# Altium PCB netv2mvp-pvt1b.PCBDOC (part 6 of 7)
Units mm, origin at the board's own origin, x right, y up, seen from the top; angles counter-clockwise.
Board outline 100 x 100 mm, 6 copper layers (L1, L2, L3, L4, L5, L6), stack 1.554 mm thick; 357 components, 296 nets, 2117 pads, 969 vias.
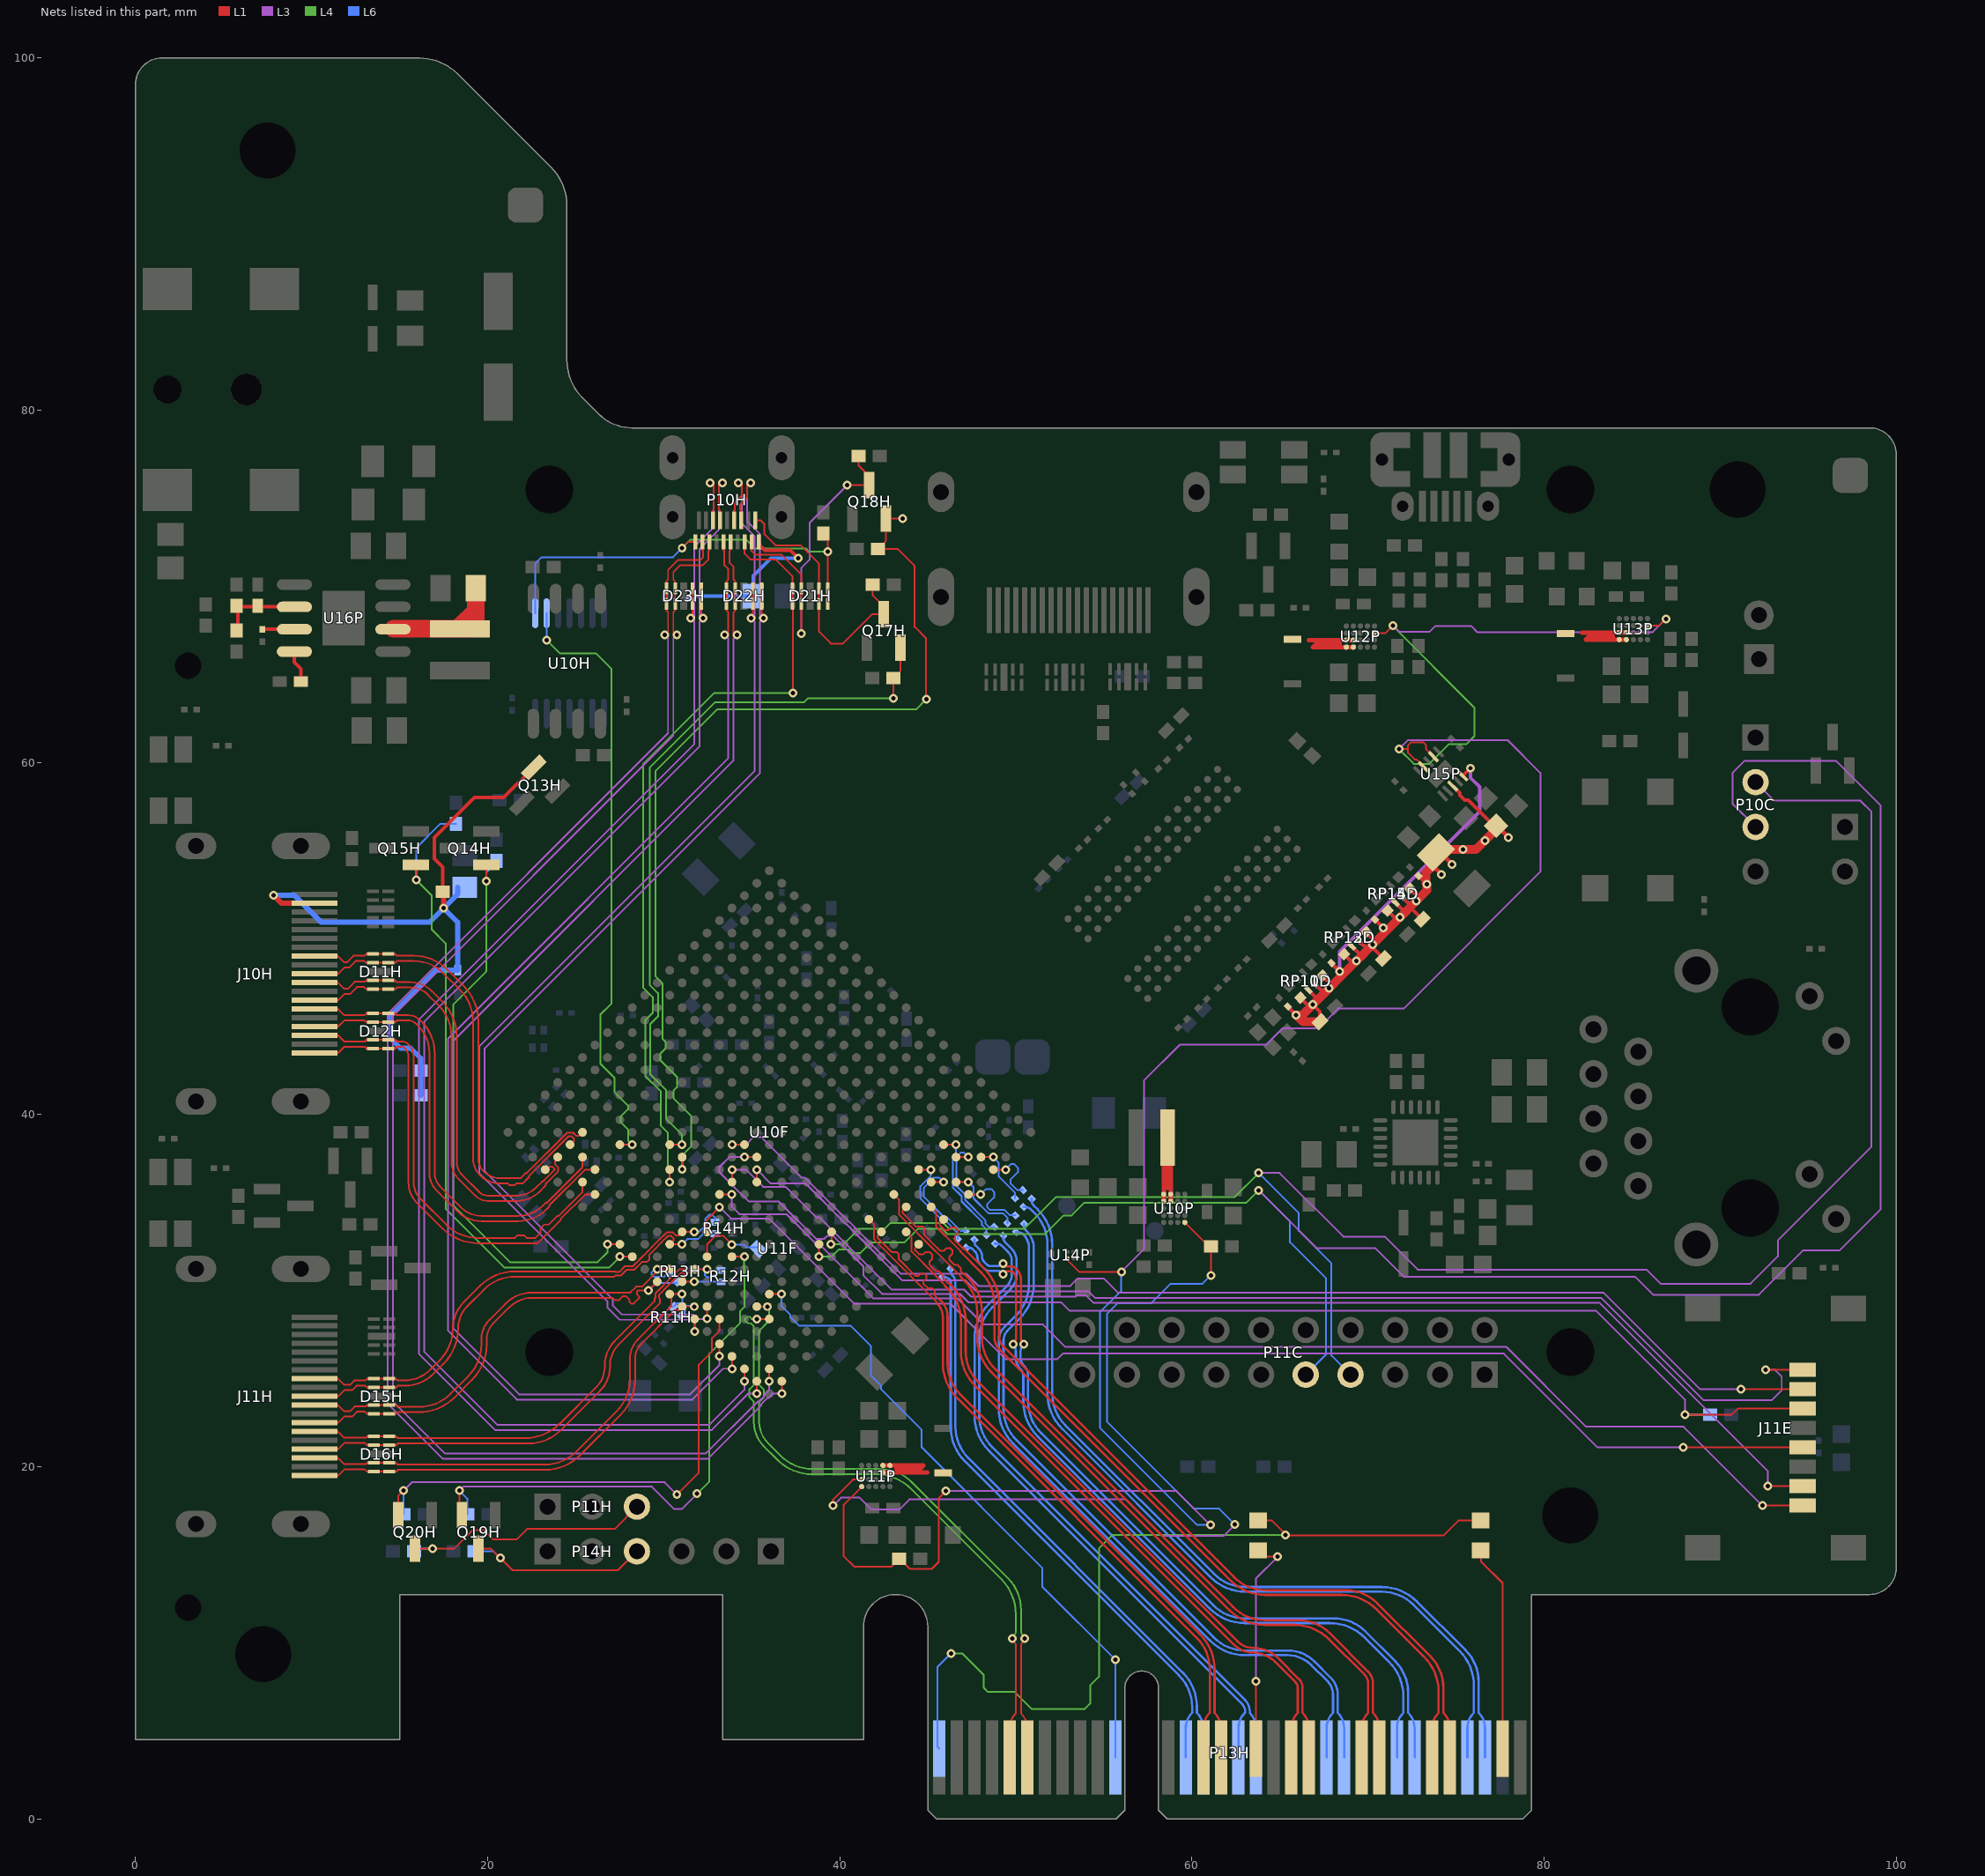
[diagram p10: the nets of this part, all layers, seen from the top]

## Via types
v1: diameter 0.5, hole 0.25, L1 to L6, tented both sides, 895 vias
v2: diameter 0.45, hole 0.25, L1 to L6, tented both sides, 57 vias
v3: diameter 0.7, hole 0.33, L1 to L6, 6 vias
v4: diameter 0.7, hole 0.33, L1 to L6, tented both sides, 5 vias
v5: diameter 0.66, hole 0.33, L1 to L6, tented top, 4 vias
v6: diameter 0.5, hole 0.25, L1 to L6, tented top, 2 vias

## Nets (pads, with @x,y where several pads share a name; then routed paths per layer and width w, separated by ;. In a path a pad name is that pad's centre, name@x,y a point inside that pad or via, vN(x,y) a via of type N, cw(c..) or ccw(c..) an arc to the next point about the centre after c; other vN are vias at no path point) (continued)
PER0_N: C25F.1 P13H.A17 | length 36.9
  L6 w0.13: C25F.1@49.283,33.128 49.283,33.036 ccw(c49.71,33.036) 49.408,32.734 49.764,32.379 cw(c49.085,31.7) 50.045,31.7 50.045,30.939 cw(c48.836,30.939) 49.691,30.084 48.669,29.062 ccw(c50.465,27.266) 47.925,27.266 47.925,22.902 ccw(c50.465,22.902) 48.669,21.106 63.009,6.766 cw(c62.317,6.075) 63.295,6.075 63.295,6.02 cw(c62.438,5.163) 63.65,5.163 P13H.A17@63.65,3.5
PER0_P: C24F.1 P13H.A16 | length 36.7
  L6 w0.13: C24F.1@48.824,32.668 48.916,32.668 cw(c48.916,32.242) 49.217,32.543 49.573,32.188 cw(c49.085,31.7) 49.775,31.7 49.775,30.939 cw(c48.836,30.939) 49.5,30.275 48.478,29.253 ccw(c50.465,27.266) 47.655,27.266 47.655,22.902 ccw(c50.465,22.902) 48.478,20.915 62.818,6.575 cw(c62.317,6.075) 63.025,6.075 cw(c62.94,6.075) 63,6.015 ccw(c63.846,5.17) 62.65,5.17 P13H.A16@62.65,3.5
PER1_N: C36F.1 P13H.A22 | length 41.1
  L6 w0.13: C36F.1@50.476,33.791 50.476,33.699 ccw(c50.902,33.699) 50.601,33.397 50.649,33.349 cw(c49.753,32.453) 51.02,32.453 51.02,30.384 cw(c48.21,30.384) 50.197,28.397 49.512,27.712 ccw(c50.024,27.2) 49.3,27.2 49.3,23.302 ccw(c51.84,23.302) 50.044,21.506 61.236,10.314 ccw(c63.032,12.11) 63.032,9.57 65.447,9.57 cw(c65.447,7.422) 66.966,8.941 67.898,8.009 cw(c66.965,7.075) 68.285,7.075 68.285,6.03 cw(c67.404,5.149) 68.65,5.149 P13H.A22@68.65,3.5
PER1_P: C27F.1 P13H.A21 | length 40.9
  L6 w0.13: C27F.1@50.016,33.331 50.108,33.331 cw(c50.108,32.905) 50.41,33.206 50.458,33.158 cw(c49.753,32.453) 50.75,32.453 50.75,30.384 cw(c48.21,30.384) 50.006,28.588 49.321,27.903 ccw(c50.024,27.2) 49.03,27.2 49.03,23.302 ccw(c51.84,23.302) 49.853,21.315 61.045,10.123 ccw(c63.032,12.11) 63.032,9.3 65.447,9.3 cw(c65.447,7.422) 66.775,8.75 67.707,7.818 cw(c66.965,7.075) 68.015,7.075 68.015,6.03 ccw(c68.896,5.149) 67.65,5.149 P13H.A21@67.65,3.5
PER2_N: C40F.1 P13H.A26 | length 44.3
  L1 w0.13: v1(49.275,31.55) 49.406,31.419 ccw(c49.525,31.539) 49.525,31.37 49.729,31.37 cw(c49.729,30.929) 50.041,31.241 cw(c49.44,30.64) 50.29,30.64 50.29,27.36 ccw(c50.87,27.36) v1(50.46,26.95)
  L6 w0.13: C40F.1@47.652,32.903 47.652,32.745 ccw(c47.92,32.745) 47.73,32.555 47.872,32.414 cw(c47.333,31.875) 48.095,31.875 ccw(c48.385,31.875) 48.18,31.67 48.375,31.475 ccw(c48.556,31.656) 48.556,31.4 48.975,31.4 ccw(c48.975,31.762) 49.231,31.506 v1(49.275,31.55) ; v1(50.46,26.95) 50.409,26.899 ccw(c50.734,26.575) 50.275,26.575 50.275,26.166 ccw(c50.841,26.166) 50.441,25.766 cw(c49.815,25.14) 50.7,25.14 50.7,23.702 ccw(c53.24,23.702) 51.444,21.906 61.211,12.139 ccw(c63.007,13.935) 63.007,11.395 68.06,11.395 cw(c68.06,8.855) 69.856,10.651 71.541,8.966 cw(c69.745,7.17) 72.285,7.17 72.285,6.03 cw(c71.404,5.149) 72.65,5.149 P13H.A26@72.65,3.5
PER2_P: C37F.1 P13H.A25 | length 43.9
  L1 w0.13: v1@49.371,31.036 cw(c49.525,30.883) 49.525,31.1 49.729,31.1 cw(c49.729,30.929) 49.85,31.05 cw(c49.44,30.64) 50.02,30.64 50.02,27.36 cw(c49.44,27.36) v1(49.85,26.95)
  L6 w0.13: C37F.1@47.192,32.443 47.35,32.443 cw(c47.35,32.175) 47.539,32.364 47.681,32.223 cw(c47.333,31.875) 47.825,31.875 ccw(c48.385,31.875) 47.989,31.479 48.184,31.284 ccw(c48.556,31.656) 48.556,31.13 48.975,31.13 cw(c48.975,30.864) 49.163,31.052 v1(49.275,30.94) ; v1(49.85,26.95) cw(c49.476,26.576) 50.005,26.576 50.005,26.166 ccw(c50.841,26.166) 50.25,25.575 cw(c49.815,25.14) 50.43,25.14 50.43,23.702 ccw(c53.24,23.702) 51.253,21.715 61.02,11.948 ccw(c63.007,13.935) 63.007,11.125 67.836,11.125 cw(c67.836,8.315) 69.823,10.302 71.192,8.933 cw(c69.205,6.946) 72.015,6.946 72.015,6.03 ccw(c72.896,5.149) 71.65,5.149 P13H.A25@71.65,3.5
PER3_N: C22F.1 P13H.A30 | length 47.6
  L6 w0.13: C22F.1@50.904,35.219 50.904,35.125 ccw(c51.325,35.125) 51.027,34.827 51.247,34.607 cw(c49.26,32.62) 52.07,32.62 52.07,24.157 ccw(c54.61,24.157) 52.814,22.361 61.256,13.919 ccw(c63.052,15.715) 63.052,13.175 70.793,13.175 cw(c70.793,10.365) 72.78,12.352 75.541,9.591 cw(c73.745,7.795) 76.285,7.795 76.285,6.03 cw(c75.404,5.149) 76.65,5.149 P13H.A30@76.65,3.5
PER3_P: C20F.1 P13H.A29 | length 47.3
  L6 w0.13: C20F.1@50.444,34.759 50.538,34.759 cw(c50.538,34.338) 50.836,34.636 51.056,34.416 cw(c49.26,32.62) 51.8,32.62 51.8,24.157 ccw(c54.61,24.157) 52.623,22.17 61.065,13.728 ccw(c63.052,15.715) 63.052,12.905 70.793,12.905 cw(c70.793,10.365) 72.589,12.161 75.192,9.558 cw(c73.205,7.571) 76.015,7.571 76.015,6.03 ccw(c76.896,5.149) 75.65,5.149 P13H.A29@75.65,3.5
PERC0_N: C25F.2 U10F.C5 | length 6.6
  L1 w0.099: U10F.C5@46.607,37.586 v1(47.303,37.586)
  L6 w0.099: v1(47.303,37.586) 47.039,37.85 46.89,37.85 46.626,37.586 46.626,35.949 47.125,35.45 47.125,35.15 48.284,33.991 48.284,33.809 48.47,33.623 C25F.2@48.788,33.623
PERC0_P: C24F.2 U10F.D5 | length 6.7
  L1 w0.099: U10F.D5@45.899,38.293 v1(46.596,38.293)
  L6 w0.099: v1(46.596,38.293) 46.596,37.839 46.426,37.669 46.426,35.866 46.925,35.367 46.925,35.067 48.084,33.908 48.084,33.726 48.329,33.482 C24F.2@48.329,33.163
PERC1_N: C36F.2 U10F.A6 | length 4.5
  L1 w0.099: U10F.A6@47.314,35.464 v1(48.01,35.464)
  L6 w0.099: v1(48.01,35.464) 48.321,35.775 48.567,35.775 48.57,35.772 48.603,35.772 48.775,35.6 48.775,35.3 48.375,34.9 48.375,34.75 48.525,34.6 49.35,34.6 49.664,34.286 C36F.2@49.981,34.286
PERC1_P: C27F.2 U10F.B6 | length 4.4
  L1 w0.099: U10F.B6@46.607,36.172 v1(47.303,36.172)
  L6 w0.099: v1(47.303,36.172) 47.6,35.874 47.6,35.242 48.442,34.4 49.267,34.4 49.521,34.146 C27F.2@49.521,33.826
PERC2_N: C40F.2 U10F.C7 | length 5.9
  L1 w0.099: U10F.C7@45.192,36.172 v1(45.889,36.172)
  L6 w0.099: v1(45.889,36.172) 45.635,36.425 45.35,36.425 44.775,35.85 44.775,35.324 45.9,34.2 46.062,34.2 46.864,33.397 C40F.2@47.157,33.397
PERC2_P: C37F.2 U10F.D7 | length 5.9
  L1 w0.099: U10F.D7@44.485,36.879 v1(45.182,36.879)
  L6 w0.099: v1(45.182,36.879) 45.182,36.539 44.575,35.933 44.575,35.241 45.817,34 45.979,34 46.697,33.281 C37F.2@46.697,32.938
PERC3_N: C22F.2 U10F.A4 | length 3.5
  L1 w0.099: U10F.A4@48.728,36.879 v1(49.424,36.879)
  L6 w0.099: v1(49.424,36.879) 49.746,37.2 49.9,37.2 50.125,36.975 50.125,36.725 49.7,36.3 49.7,36.104 50.09,35.714 C22F.2@50.409,35.714
PERC3_P: C20F.2 U10F.B4 | length 3.5
  L1 w0.099: U10F.B4@48.021,37.586 v1(48.717,37.586)
  L6 w0.099: v1(48.717,37.586) 49.025,37.278 49.025,37.045 ; 49.024,36.713 49.024,37.044 ; 49.025,36.712 49.025,36.496 49.949,35.572 C20F.2@49.949,35.254
PERST#: P13H.A11 U10F.E18 | length 36.6
  L1 w0.1: U10F.E18@36,29.808 v1(36.7,29.808)
  L6 w0.1: v1(36.7,29.808) 36.7,29.125 37.2,28.625 37.2,28.5 37.7,28 40.625,28 41.775,26.85 41.775,25.175 42.35,24.6 42.35,24.4 44.65,22.1 44.65,21.108 51.5,14.258 51.5,13.2 v1(55.65,9.05) P13H.A11@55.65,3.5
PET0_N: P13H.B15 U10F.C11 | length 38.6
  L1 w0.099: U10F.C11@42.364,33.343 42.15,33.129 42.15,32.991 42.95,32.191 43.234,32.191 43.35,32.075 43.35,31.791 44.291,30.85 44.475,30.85 44.6,30.975 44.8,30.975 44.925,30.85 44.925,30.7 44.759,30.534 44.759,30.384 45,30.142 45.233,30.142 45.409,29.966 45.409,29.734 45.692,29.45
  L1 w0.13: 45.741,29.441 cw(c44.814,28.514) 46.125,28.514 46.125,25.884 ccw(c48.665,25.884) 46.869,24.088 60.462,10.495 cw(c58.475,8.508) 61.285,8.508 61.285,6.03 cw(c60.404,5.149) 61.65,5.149 P13H.B15@61.65,3.5
PET0_P: P13H.B14 U10F.D11 | length 38.5
  L1 w0.099: U10F.D11@41.657,34.05 41.95,33.757 41.95,32.909 44.554,30.304 ; 44.433,30.425 45.579,29.279
  L1 w0.13: 45.55,29.25 cw(c44.814,28.514) 45.855,28.514 45.855,25.884 ccw(c48.665,25.884) 46.678,23.897 60.271,10.304 cw(c58.475,8.508) 61.015,8.508 61.015,6.03 ccw(c61.896,5.149) 60.65,5.149 P13H.B14@60.65,3.5
PET1_N: P13H.B20 U10F.A10 | length 39.6
  L1 w0.099: U10F.A10@44.485,32.636 44.275,32.426 44.275,32.3 44.5,32.075 44.75,32.075 44.875,32.2 45.1,32.2 45.25,32.05 45.25,31.8 45.1,31.65 45.1,31.475 45.45,31.125 45.6,31.125 45.875,30.85 45.875,30.7 46.163,30.413
  L1 w0.13: 46.191,30.441 46.327,30.305 cw(c44.34,28.318) 47.15,28.318 47.15,26.577 ccw(c49.69,26.577) 47.894,24.781 62.587,10.088 ccw(c63.475,10.975) 63.475,9.72 cw(c63.475,7.7) 64.904,9.128 66.075,7.957 cw(c65.568,7.45) 66.285,7.45 66.285,6.03 cw(c65.404,5.149) 66.65,5.149 P13H.B20@66.65,3.5
PET1_P: P13H.B19 U10F.B10 | length 39.5
  L1 w0.099: U10F.B10@43.778,33.343 44.075,33.046 44.075,32.217 45.325,30.967 ; 45.325,30.967 46.021,30.271
  L1 w0.13: 46,30.25 46.136,30.114 cw(c44.34,28.318) 46.88,28.318 46.88,26.577 ccw(c49.69,26.577) 47.703,24.59 62.396,9.897 ccw(c63.475,10.975) 63.475,9.45 cw(c63.475,7.7) 64.713,8.937 65.884,7.766 cw(c65.568,7.45) 66.015,7.45 66.015,6.03 ccw(c66.896,5.149) 65.65,5.149 P13H.B19@65.65,3.5
PET2_N: P13H.B24 U10F.C9 | length 45.4
  L1 w0.099: U10F.C9@43.778,34.757 43.575,34.554 43.575,34.395 44.32,33.65 44.7,33.65 44.792,33.558 44.792,33.177 45.532,32.438 45.537,32.438 45.7,32.275 45.925,32.275 46.075,32.425 46.275,32.425 46.4,32.3 46.4,32.1 46.225,31.925 46.225,31.75 46.275,31.7 46.501,31.475 46.675,31.475 46.875,31.275 46.875,31.1 47.063,30.913
  L1 w0.13: 47.091,30.941 47.252,30.78 cw(c45.265,28.793) 48.075,28.793 48.075,27.352 ccw(c50.615,27.352) 48.819,25.556 62.336,12.039 ccw(c64.132,13.835) 64.132,11.295 66.035,11.295 cw(c66.035,8.755) 67.831,10.551 70.004,8.377 cw(c69.327,7.7) 70.285,7.7 70.285,6.03 cw(c69.404,5.149) 70.65,5.149 P13H.B24@70.65,3.5
PET2_P: P13H.B23 U10F.D9 | length 45.3
  L1 w0.099: U10F.D9@43.071,35.464 43.375,35.161 43.375,34.312 45.449,32.238 45.455,32.238 46.134,31.559 ; 45.958,31.733 46.921,30.771
  L1 w0.13: 46.9,30.75 47.061,30.589 cw(c45.265,28.793) 47.805,28.793 47.805,27.352 ccw(c50.615,27.352) 48.628,25.365 62.145,11.848 ccw(c64.132,13.835) 64.132,11.025 65.811,11.025 cw(c65.811,8.215) 67.798,10.202 69.813,8.187 cw(c69.327,7.7) 70.015,7.7 70.015,6.03 ccw(c70.896,5.149) 69.65,5.149 P13H.B23@69.65,3.5
PET3_N: P13H.B28 U10F.A8 | length 46.9
  L1 w0.099: U10F.A8@45.899,34.05 45.675,33.826 45.675,33.725 45.95,33.45 46.175,33.45 46.325,33.6 46.55,33.6 46.7,33.45 46.7,33.25 46.55,33.1 46.55,32.85 46.775,32.625 ; 46.65,32.75 47.025,32.375
  L1 w0.13: 47.053,32.403 48.227,31.23 cw(c46.24,29.243) 49.05,29.243 49.05,27.393 ccw(c49.818,27.393) 49.275,26.85 62.386,13.739 ccw(c64.182,15.535) 64.182,12.995 68.735,12.995 cw(c68.735,10.455) 70.531,12.251 73.541,9.241 cw(c71.745,7.445) 74.285,7.445 74.285,6.03 cw(c73.404,5.149) 74.65,5.149 P13H.B28@74.65,3.5
PET3_P: P13H.B27 U10F.B8 | length 46.8
  L1 w0.099: U10F.B8@45.192,34.757 45.475,34.475 45.475,33.642 46.634,32.484 ; 46.558,32.558 46.883,32.233
  L1 w0.13: 46.862,32.213 48.036,31.039 cw(c46.24,29.243) 48.78,29.243 48.78,27.393 ccw(c49.818,27.393) 49.084,26.659 62.195,13.548 ccw(c64.182,15.535) 64.182,12.725 68.511,12.725 cw(c68.511,9.915) 70.498,11.902 73.192,9.208 cw(c71.205,7.221) 74.015,7.221 74.015,6.03 ccw(c74.896,5.149) 73.65,5.149 P13H.B27@73.65,3.5
PGOOD_P1.0V: R12P.1 U10P.A1 U11P.A2 | length 53.4
  L1 w0.1: v1(39.625,17.8) 39.625,18.15 40.75,19.275 U11P.A2@41.25,19.275 ; U10P.A1@59.6,33.875 60.95,32.525 R12P.1@61.075,32.525 v1(61.075,30.875)
  L3 w0.1: v1(39.625,17.8) 40.075,18.25 41.125,18.25 41.8,17.575 43.375,17.575 43.95,18.15 56.275,18.15 58.35,16.075 61.8,16.075 v1(62.45,16.725)
  L6 w0.1: v1(61.075,30.875) 60.6,30.4 58.8,30.4 57.7,29.3 55.8,29.3 55.175,28.675 55.175,22.575 60.125,17.625 61.55,17.625 v1(62.45,16.725)
PGOOD_P1.8V: R13P.1 U11P.A1 U12P.A2 U13P.A2 U14P.B1 U15P.7 U15P.9 | length 141.7
  L1 w0.1: U11P.A1@41.25,18.875 40.225,17.85 40.225,15.75 40.225,14.925 40.825,14.325 42.925,14.325 R13P.1@43.375,14.775 43.4,14.775 43.975,14.2 45.225,14.2 45.625,14.6 45.625,18.225 v1(46.025,18.625) ; U14P.B1@52.925,31.85 52.925,31.75 53.6,31.075 v1(56,31.075) ; U12P.A2@70.375,67.35 71,67.35 v1(71.425,67.775) ; v1(71.763,60.763) 72.275,60.763 ; U15P.9@73.161,59.755 73.161,59.764 72.75,60.175 72.65,60.175 72.275,60.55 72.275,60.763 ; U15P.7@73.727,60.32 73.3,60.747 73.3,60.975 73.125,61.15 72.45,61.15 72.275,60.975 72.275,60.763 ; U13P.A2@85.875,67.775 86.55,67.775 v1(86.925,68.15)
  L3 w0.1: v1(46.025,18.625) 59.125,18.625 v1(61.05,16.7) ; v1(56,31.075) 57.275,32.35 57.275,41.925 59.325,43.975 64.225,43.975 65.15,44.9 67.175,44.9 68.3,46.025 72.025,46.025 79.8,53.8 79.8,59.4 77.925,61.275 72.275,61.275 v1(71.763,60.763) ; v1(71.425,67.775) 71.775,67.425 73.5,67.425 73.825,67.75 75.85,67.75 76.2,67.4 86.175,67.4 v1(86.925,68.15)
  L4 w0.1: v1(71.425,67.775) 71.425,67.725 76.05,63.1 76.05,61.5 75.6,61.05 74.6,61.05 73.475,59.925 72.6,59.925 v1(71.763,60.763)
  L6 w0.1: v1@55.975,31.075 55.975,29.975 54.775,28.775 54.775,22.225 60.3,16.7 v1(61.05,16.7)
PRSNT: P13H.A1 R37H.2 R38H.2 | length 48.8
  L1 w0.1: R37H.2@63.775,16.95 64.547,16.95 65.325,16.172 v1(65.325,16.137) ; v1@65.325,16.1 74.281,16.1 75.131,16.95 R38H.2@76.4,16.95
  L4 w0.1: v1(46.325,9.4) 46.95,9.4 48.175,8.175 48.175,7.45 48.4,7.225 49.925,7.225 50.9,6.25 53.925,6.25 54.225,6.55 54.225,7.575 54.725,8.075 54.725,15.375 55.487,16.137 v1(65.325,16.137)
  L6 w0.1: P13H.A1@45.65,4 45.55,4.1 45.55,8.625 v1(46.325,9.4)
PRSNT_X1: P13H.B17 R37H.1 | length 12.7
  L1 w0.1: R37H.1@63.625,14.9 v1(64.875,14.9) ; P13H.B17@63.65,4 v1(63.65,7.825)
  L3 w0.1: v1(63.65,7.825) 63.65,13.675 v1(64.875,14.9)
PRSNT_X4: P13H.B31 R38H.1 | length 11.8
  L1 w0.1: R38H.1@76.4,15.25 76.425,15.225 76.425,14.625 77.65,13.4 P13H.B31@77.65,4
REFCLK_N: C23F.2 P13H.A14 | length 33.4
  L6 w0.13: C23F.2@46.291,31.242 46.291,31.15 ccw(c46.718,31.15) 46.416,30.848 46.432,30.832 cw(c46.1,30.5) 46.57,30.5 46.57,22.282 ccw(c49.11,22.282) 47.314,20.486 59.472,8.328 cw(c57.509,6.365) 60.285,6.365 60.285,6.03 cw(c59.404,5.149) 60.65,5.149 P13H.A14@60.65,3.5
REFCLK_P: C21F.2 P13H.A13 | length 33.2
  L6 w0.13: C21F.2@45.832,30.783 45.924,30.783 cw(c45.924,30.356) 46.225,30.658 46.242,30.642 cw(c46.1,30.5) 46.3,30.5 46.3,22.282 ccw(c49.11,22.282) 47.123,20.295 59.281,8.137 cw(c57.509,6.365) 60.015,6.365 60.015,6.03 ccw(c60.896,5.149) 59.65,5.149 P13H.A13@59.65,3.5
RX0_FORCEPLUG: Q14H.1 R31H.1 U10F.N22 | length 32.7
  L1 w0.1: v1(19.925,53.25) Q14H.1@19.925,54.175 ; v1(26.815,32.636) U10F.N22@27.515,32.636
  L4 w0.1: v1(19.925,53.25) 19.925,48.125 18.05,46.25 18.05,34.85 21.275,31.625 26.25,31.625 26.815,32.19 v1(26.815,32.636)
  L6 w0.1: v1(19.925,53.25) 19.925,53.725 R31H.1@20.4,54.2
RX0_FORCEUNPLUG: Q15H.1 R34H.1 U10F.M22 | length 37.1
  L1 w0.1: Q15H.1@15.925,54.175 15.95,54.15 v1(15.95,53.325) ; v1(27.522,31.929) U10F.M22@28.222,31.929
  L4 w0.1: v1(15.95,53.325) 16.825,52.45 16.825,50.525 17.625,49.725 17.625,34.65 20.95,31.325 26.918,31.325 v1(27.522,31.929)
  L6 w0.1: v1(15.95,53.325) 15.95,55.15 17.3,56.5 R34H.1@18.2,56.5
RX0_TMDS0_N: D15H.4 D15H.7 J11H.9 R13H.4 U10F.K21 | length 26.5
  L1 w0.099: J11H.9@10.16,23.5 11.51,23.5 11.86,23.15 12.175,23.15 12.45,23.425 13.075,23.425 13.15,23.5 D15H.4@13.538,23.5 D15H.7@14.413,23.5 14.8,23.5 14.9,23.4 16.098,23.4 ccw(c16.098,25.94) 17.894,24.144 18.906,25.156 ccw(c17.11,26.952) 19.65,26.952 19.65,27.25 cw(c21.214,27.25) 20.108,28.356 21.014,29.261 cw(c22.555,27.72) 22.555,29.9 26.976,29.9 ; 27,29.9 28.101,29.9 28.438,30.237 28.762,30.237 29.643,31.118 v1(29.643,31.222) U10F.K21@30.343,31.222
  L6 w0.099: v1(29.643,31.222) 29.497,31.222 29.3,31.025 29.3,30.925 29.432,30.793 30.025,30.793 30.2,30.968 R13H.4@30.368,30.968 R13H.4@30.368,30.793
RX0_TMDS0_P: D15H.5 D15H.6 J11H.7 R13H.3 U10F.K22 | length 26.5
  L1 w0.099: J11H.7@10.16,22.5 11.51,22.5 11.86,22.85 12.299,22.85 12.574,23.125 13.025,23.125 13.15,23 D15H.5@13.538,23 D15H.6@14.413,23 14.8,23 14.9,23.1 16.097,23.1 ccw(c16.097,25.939) 18.104,23.932 19.117,24.945 ccw(c17.11,26.952) 19.949,26.952 19.949,27.25 cw(c21.214,27.25) 20.32,28.145 21.225,29.05 cw(c22.553,27.722) 22.553,29.6 27.1,29.6 27.225,29.475 27.475,29.475 27.7,29.7 27.85,29.7 28.05,29.5 28.05,29.375 28.15,29.275 28.3,29.275 28.6,29.575 28.6,29.675 28.475,29.8 28.475,29.95 28.545,30.02 v1(29.141,30.02) U10F.K22@29.636,30.515
  L6 w0.099: v1(29.141,30.02) 29.571,30.45 30.769,30.45 R13H.3@30.828,30.508
RX0_TMDS1_N: D16H.1 D16H.10 J11H.6 R12H.2 U10F.J20 | length 29.1
  L1 w0.099: J11H.6@10.16,22 11.51,22 11.86,21.65 13.075,21.65 13.15,21.725 D16H.1@13.538,21.725 D16H.10@14.413,21.725 14.8,21.725 14.9,21.625 22.099,21.625 ccw(c22.099,24.464) 24.107,22.457 26.175,24.525 ccw(c25.028,25.672) 26.65,25.672 26.65,25.75 cw(c28.642,25.75) 27.233,27.158 29.475,29.4 29.475,29.55 29.525,29.6 29.525,29.838 30.509,30.822 30.907,31.22 31.193,31.22 31.347,31.067 31.532,31.067 31.687,31.222 U10F.J20@31.757,31.222 v1(32.457,31.222)
  L6 w0.099: v1(32.457,31.222) 32.35,31.115 32.35,30.875 32.45,30.775 32.775,30.775 33.16,31.16 R12H.2@33.27,31.16 R12H.2@33.27,31.22
RX0_TMDS1_P: D16H.2 D16H.9 J11H.4 R12H.1 U10F.J21 | length 29
  L1 w0.099: J11H.4@10.16,21 11.51,21 11.86,21.35 13.025,21.35 13.15,21.225 D16H.2@13.538,21.225 D16H.9@14.413,21.225 14.8,21.225 14.9,21.325 22.346,21.325 ccw(c22.346,23.865) 24.142,22.069 26.386,24.314 ccw(c25.028,25.672) 26.949,25.672 26.949,25.75 cw(c28.638,25.75) 27.444,26.945 29.775,29.276 29.775,29.55 29.725,29.6 29.725,29.755 30.236,30.266 30.99,31.02 31.111,31.02 31.205,30.925 31.205,30.741 31.05,30.585 U10F.J21@31.05,30.515 v1(31.75,30.515)